# Altium PCB usb-cereal-cp-pcb.PcbDoc
Units mm, origin at the board's own origin, x right, y up, seen from the top; angles counter-clockwise.
Board outline 24.27 x 21.72 mm, 6 copper layers (L1_top, L2_top_gnd, L3_top_sig, L4_bot_sig, L5_bot_gnd, L6_bot), stack 0.783 mm thick; 40 components, 35 nets, 200 pads, 141 vias.
Unrouted connection lines stored in the file: 42.
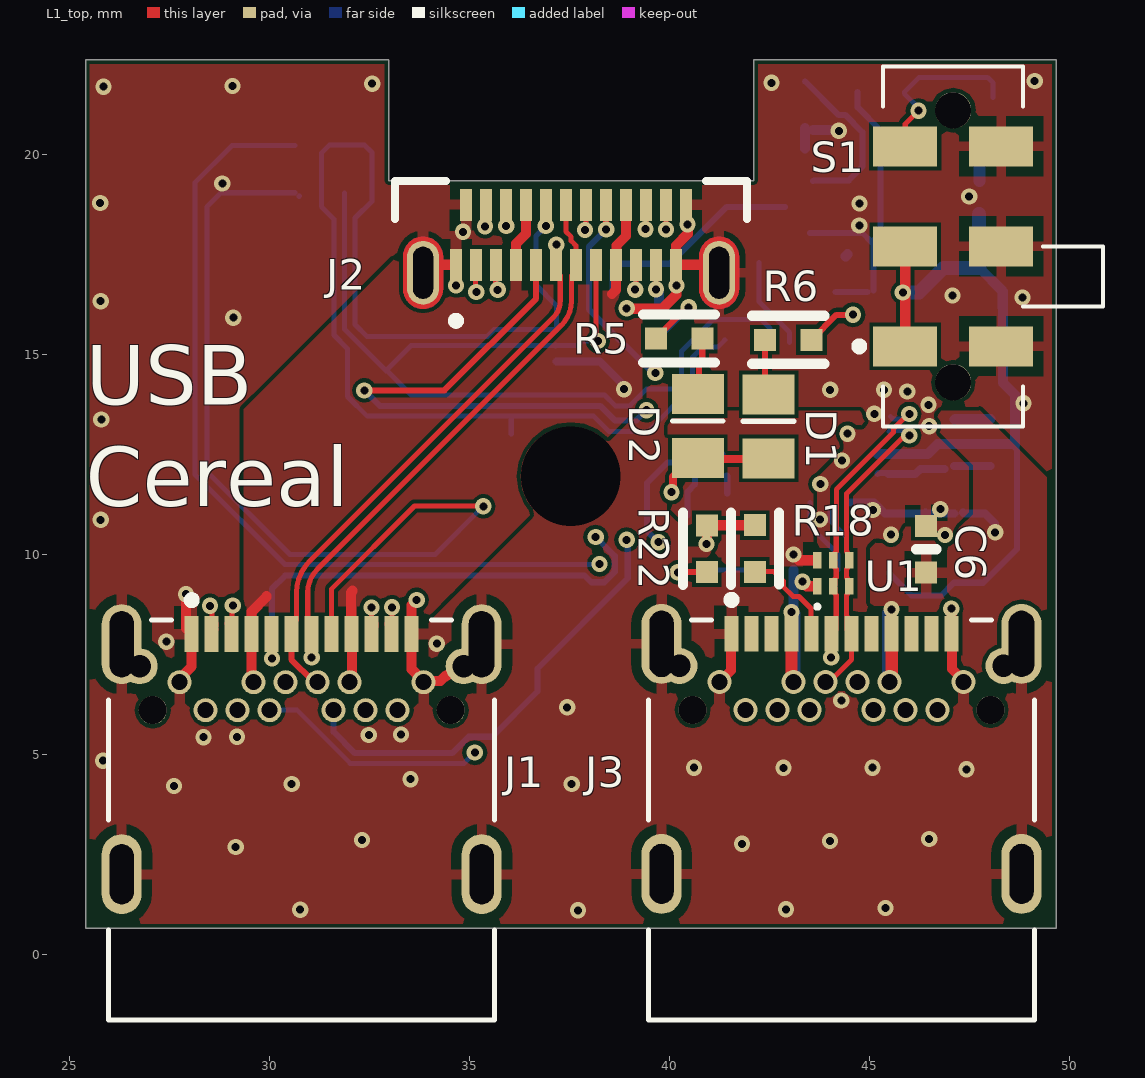
[diagram p0: L1_top view]
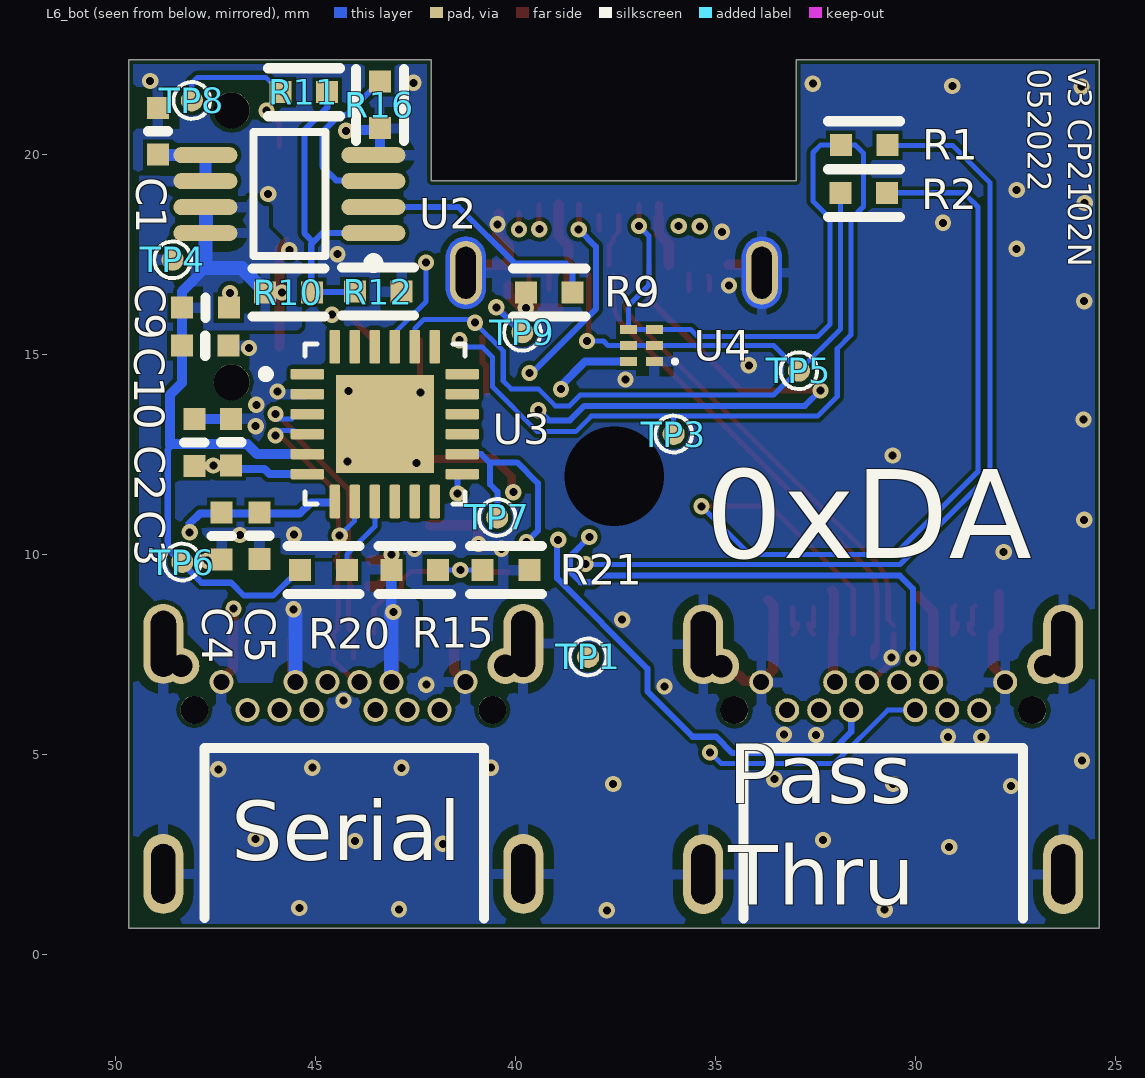
[diagram p1: L6_bot view, seen from below]
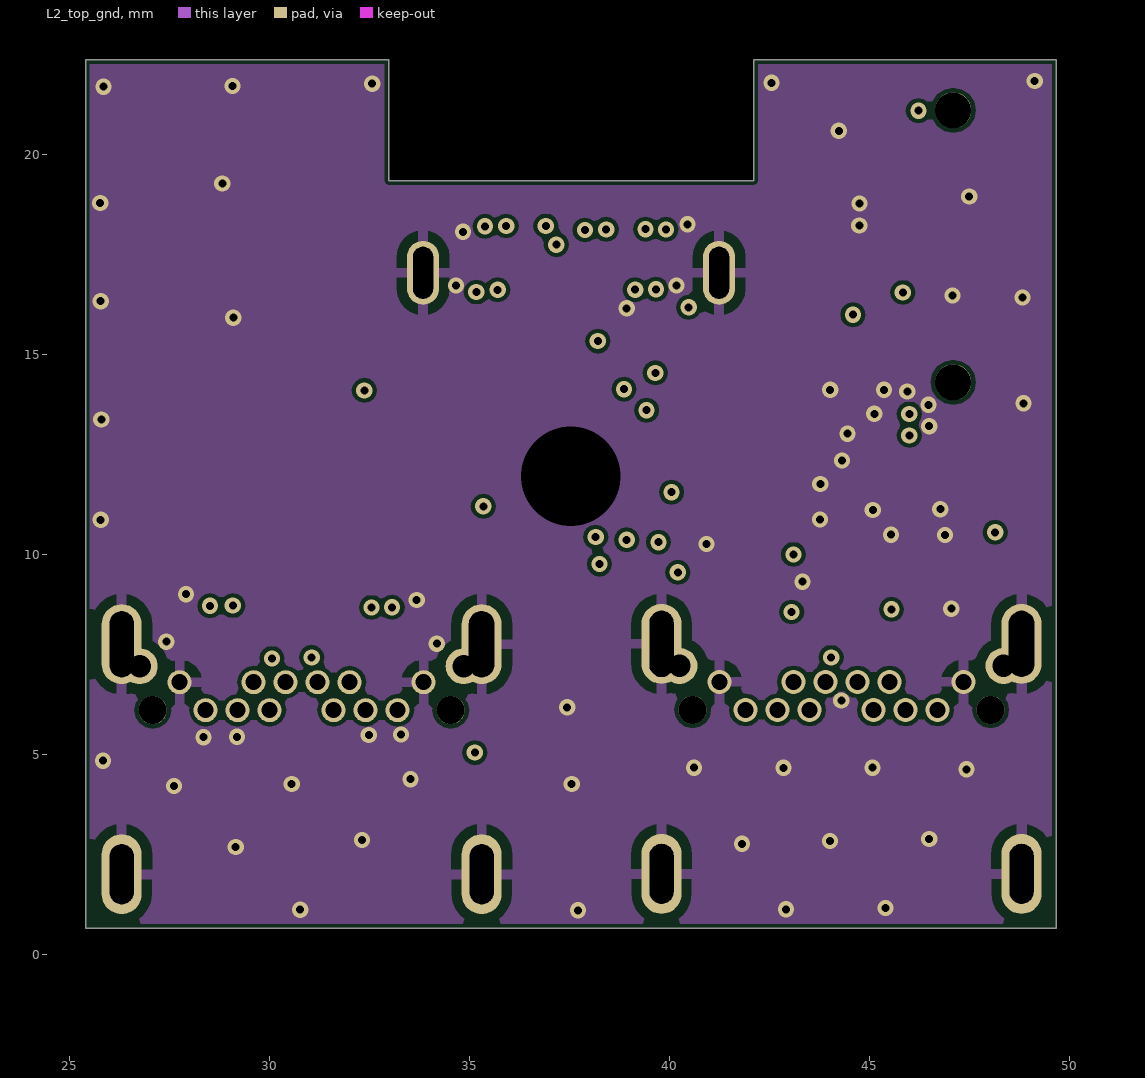
[diagram p2: L2_top_gnd]
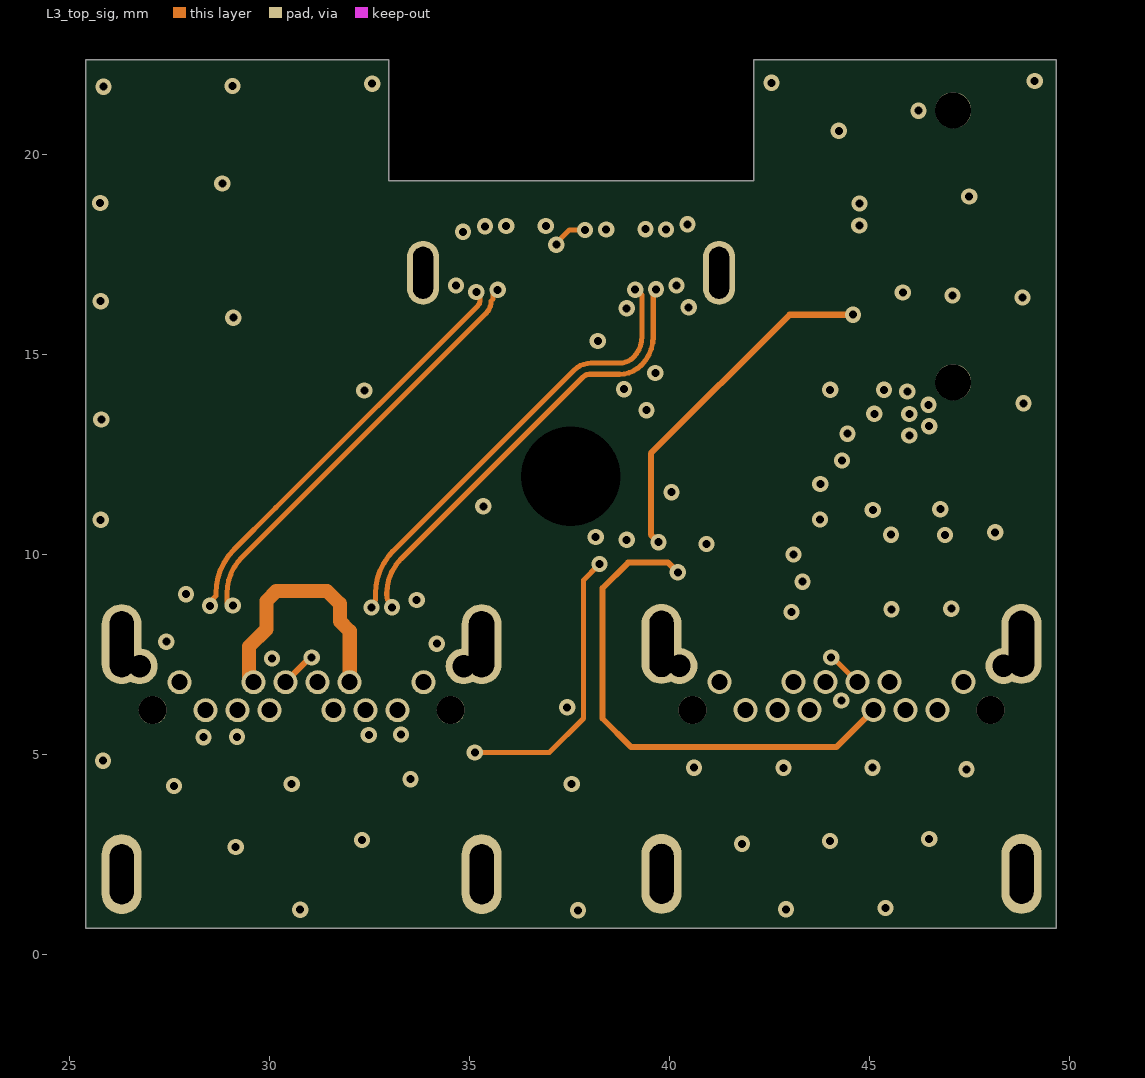
[diagram p3: L3_top_sig]
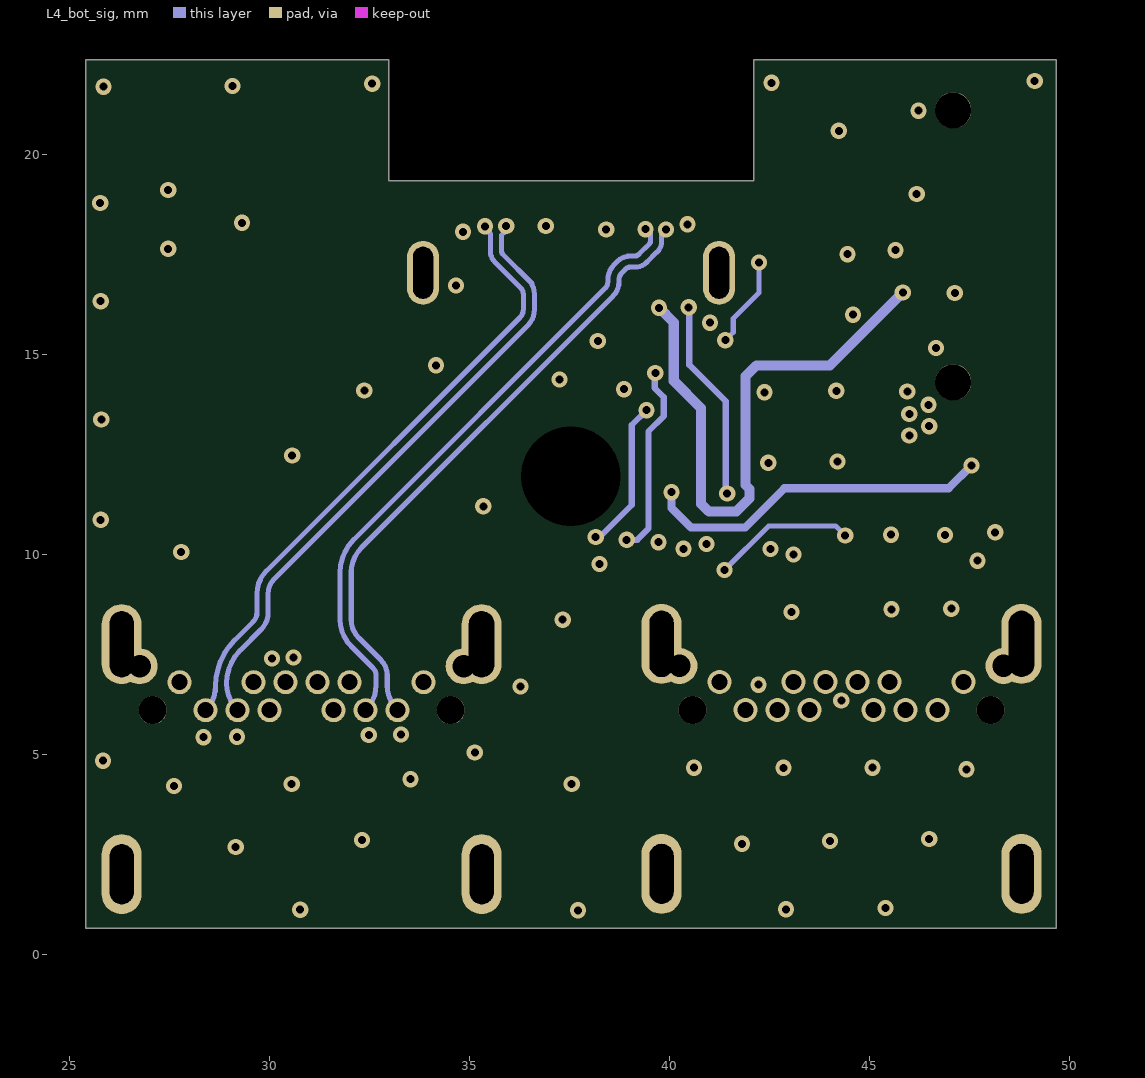
[diagram p4: L4_bot_sig]
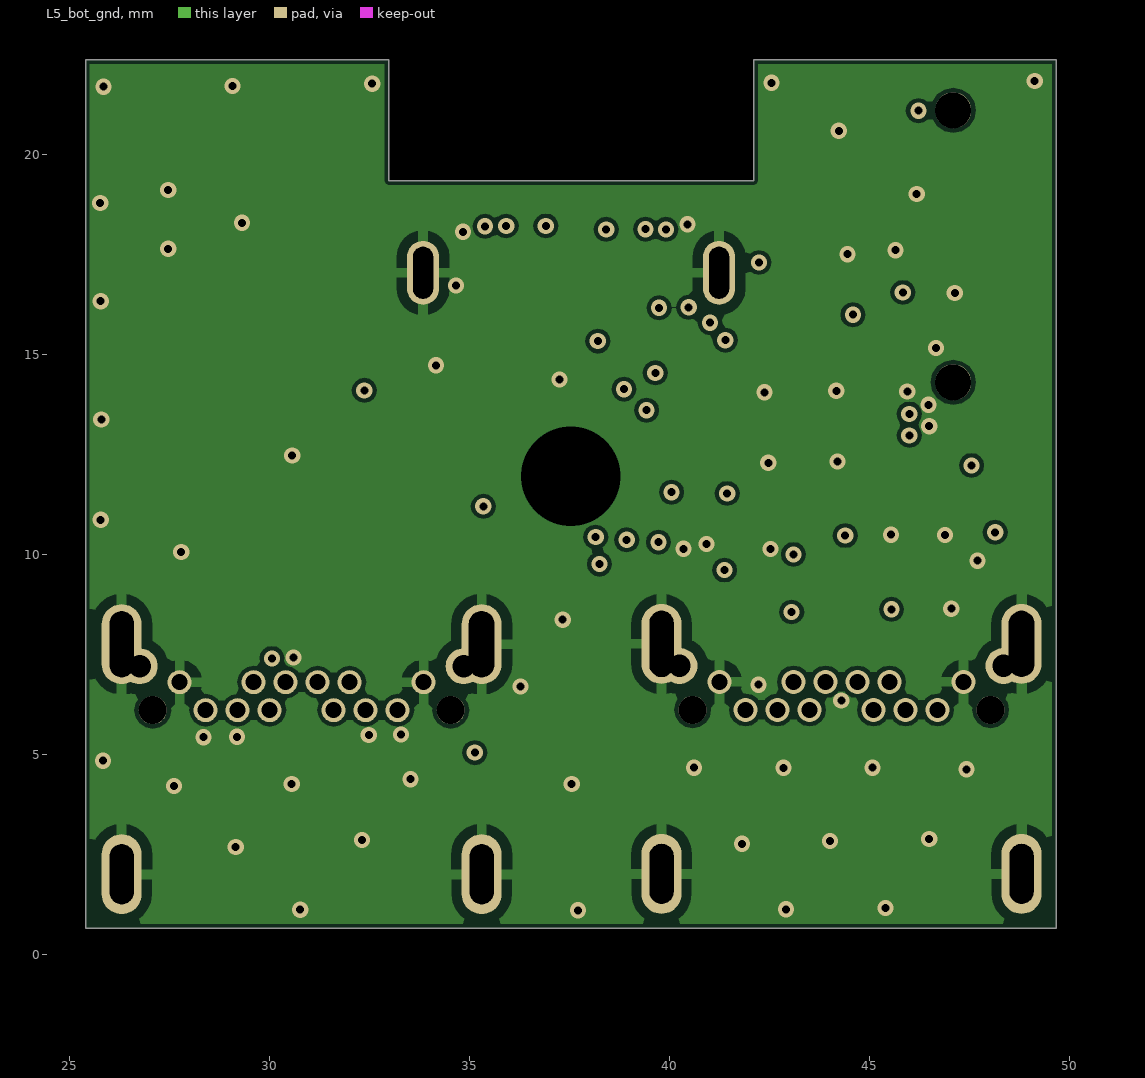
[diagram p5: L5_bot_gnd]
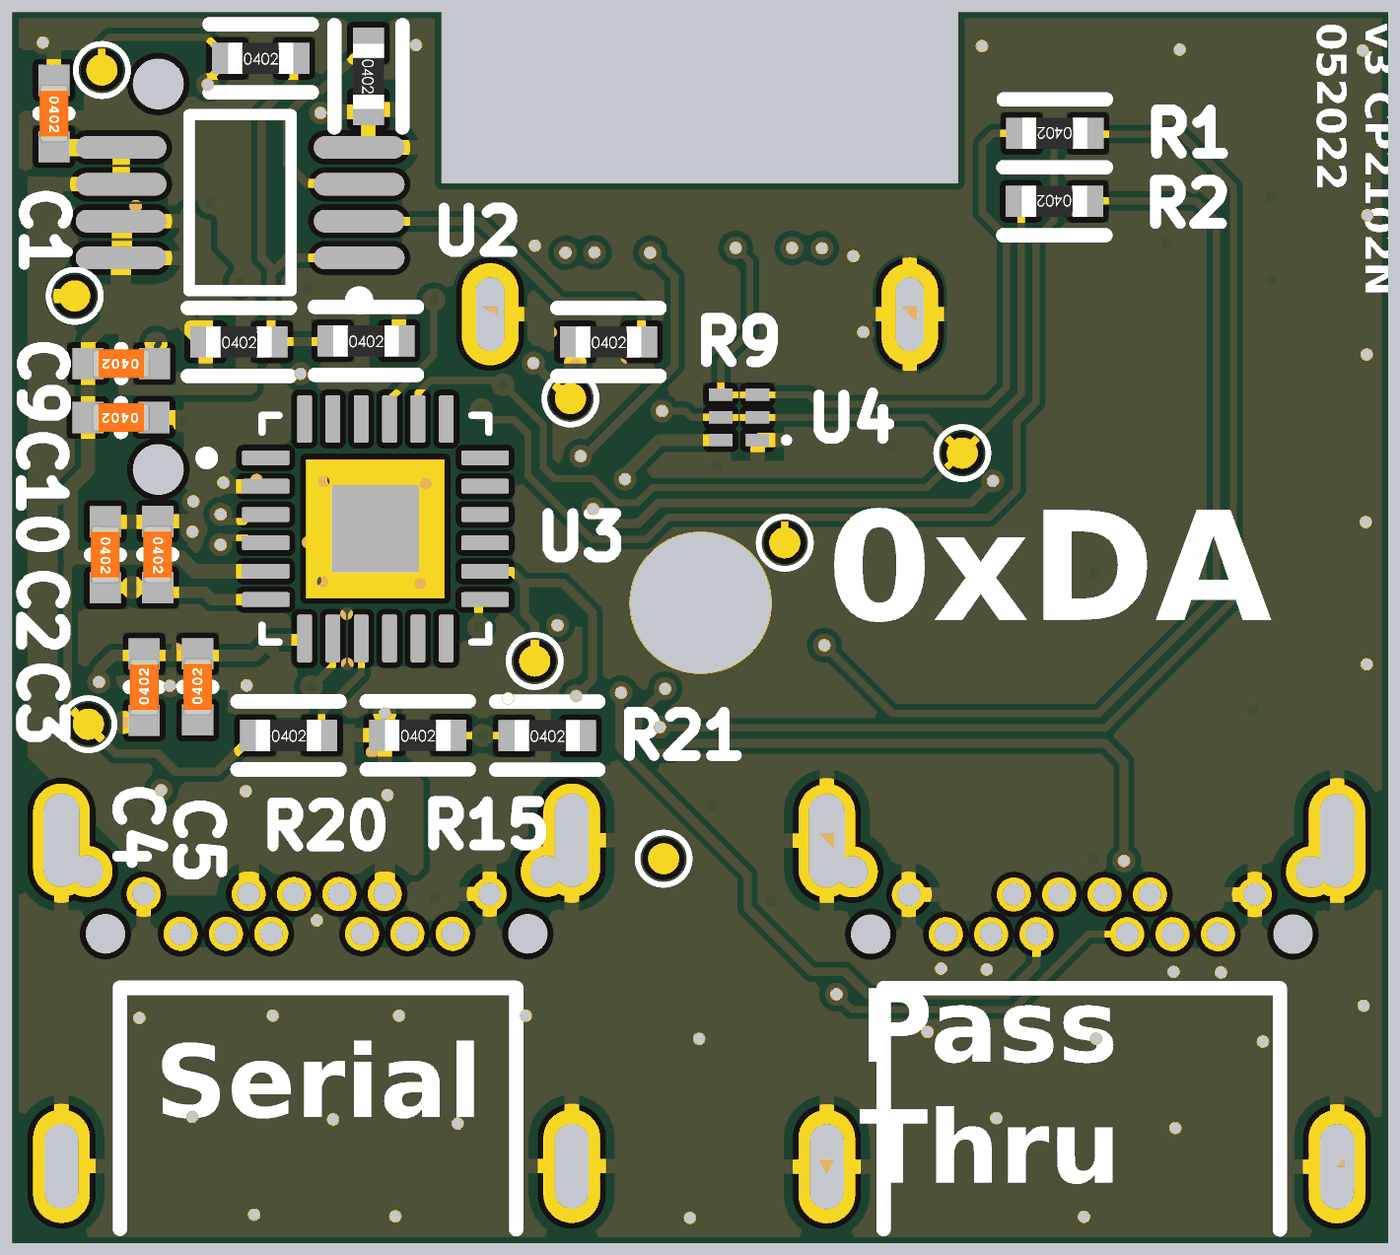
[diagram p6: 3D render of the assembled board from below, using the file's embedded part models]

## Layer stack, top to bottom
Top Solder: solder mask 0.0102, Solder Resist, Dk 3.5
L1_top: signal copper 0.018
Dielectric 1: prepreg 0.11, FR-4, Dk 4.29
L2_top_gnd: signal copper 0.035
Dielectric 3: prepreg 0.13, PP-006, Dk 3.96
L3_top_sig: signal copper 0.035
Dielectric 4: prepreg 0.11, PP-006, Dk 4.29
L4_bot_sig: signal copper 0.035
FR-4: prepreg 0.13, Dk 3.96
L5_bot_gnd: signal copper 0.035
Dielectric 2: prepreg 0.11, Dk 4.29
L6_bot: signal copper 0.035
Bottom Solder: solder mask 0.0102, Solder Resist, Dk 3.5

## Board outline
25.397,0.643 25.397,22.36 32.977,22.36 32.977,19.336 42.1,19.336 42.1,22.36 49.665,22.36 49.665,0.643

## Design rules (kind name [scope] priority, off if disabled: settings)
BoardOutlineClearance [All] p1: gap=0.102 ignorepadtopadclearanceinfootprint=FALSE
Clearance [All] p1: gap=0.102 ignorepadtopadclearanceinfootprint=FALSE
DiffPairsRouting [All] p1: maxlimit=0.152 minlimit=0.102 mostfreqgap=0.152 toplayer_minwidth=0.102 toplayer_maxwidth=0.127 toplayer_prefwidth=0.102 midlayer1_minwidth=0.102 midlayer1_maxwidth=0.127 midlayer1_prefwidth=0.102 midlayer2_minwidth=0.102 midlayer2_maxwidth=0.127 midlayer2_prefwidth=0.102 midlayer3_minwidth=0.102 midlayer3_maxwidth=0.127 midlayer3_prefwidth=0.102 midlayer4_minwidth=0.102 midlayer4_maxwidth=0.127 midlayer4_prefwidth=0.102 bottomlayer_minwidth=0.102 bottomlayer_maxwidth=0.127 bottomlayer_prefwidth=0.102 maxuncoupledlength=12.7
MatchedLengths MatchedLengths_1 [InDifferentialPairClass('SS')] p1: tolerance=0.381 checknetsindiffpair=FALSE checkdiffpairvsdiffpair=TRUE checkxsignals=TRUE checkothers=TRUE
MatchedLengths [InDifferentialPairClass('All Differential Pairs')] p2: tolerance=0.127 checknetsindiffpair=TRUE checkdiffpairvsdiffpair=FALSE checkxsignals=FALSE checkothers=FALSE
MinimumSolderMaskSliver [All] p1: minsoldermaskwidth=0
PolygonConnect PolygonConnect_1 [All] p1: thpad.connectstyle=Relief thpad.reliefconductorwidth=0.254 thpad.reliefentries=4 thpad.polygonreliefangle="90 Angle" thpad.airgapwidth=0.254 smdpad.connectstyle=Relief smdpad.reliefconductorwidth=0.254 smdpad.reliefentries=4 smdpad.polygonreliefangle="90 Angle" smdpad.airgapwidth=0.254 via.connectstyle=Direct via.reliefconductorwidth=0.254 via.reliefentries=4 via.polygonreliefangle="90 Angle" via.airgapwidth=0.254
PolygonConnect [IsVia AND InNet('GND')] p2 off: connectstyle=Direct reliefconductorwidth=0.254 reliefentries=4 polygonreliefangle="90 Angle" airgapwidth=0.127
RoutingVias [All] p1: holewidth=0.711 width=1.27 viastyle="Through Hole" minholewidth=0.711 minwidth=1.27 maxholewidth=0.711 maxwidth=1.27
SilkToSilkClearance [All] p1: silktosilkclearance=0.025
SilkToSolderMaskClearance [IsPad] p1: minsilkscreentomaskgap=0.025 clearancetoexposedcopper=TRUE
SolderMaskExpansion [All] p1: expansion=0.102 istentingtop=FALSE
Width [All] p1: maxlimit=1.016 minlimit=0.102 preferedwidth=0.152
26 further rules are at their usual default settings.

## Classes and differential pairs
differential pair TX2: +TX2_P -TX2_N
differential pair TX1: +TX1_P -TX1_N
differential pair RX2: +RX2_P -RX2_N
differential pair RX1: +RX1_P -RX1_N
differential pair D: +D_P -D_N
differential pair USB_FT_HS: +USB_FT_HS_P -USB_FT_HS_N

## Components (designator, comment, footprint, x,y, rotation, side; value= is the part's Value field where it differs from the comment)
C1 "1µF" SMD-0402C 48.93,20.572 r0 bottom
C2 "0.10µF" SMD-0402C 47.1,12.794 r0 bottom
C3 "4.7µF" SMD-0402C 48.024,12.79 r0 bottom
C4 "4.7µF" SMD-0402C 47.338,10.454 r180 bottom
C5 "0.10µF" SMD-0402C 46.394,10.457 r180 bottom
C6 "10nF" SMD-0402C 46.409,10.121 r180 top
C9 "1µF" SMD-0402C 47.743,16.162 r90 bottom
C10 "1µF" SMD-0402C 47.748,15.209 r90 bottom
D1 "LTST-C171GKT" 0805 42.476,13.193 r90 top
D2 "LTST-C171KSKT" 0805 40.703,13.199 r90 top
J1 "UJ31-CH-G1-SMT-TR" CUI_UJ31-CH-G1-SMT-TR 28.05,8.001 r0 top
J2 "USB4155-03-C_REVA" GCT_USB4155-03-C_REVA 37.535,17.982 r180 top
J3 "UJ31-CH-G1-SMT-TR" CUI_UJ31-CH-G1-SMT-TR 41.547,8.009 r0 top
R1 "0.0" SMD-0402-RES 31.276,20.221 r90 bottom
R2 "0.0" SMD-0402-RES 31.284,19.025 r90 bottom
R5 "1k" SMD-0402-RES 40.237,15.39 r90 top
R6 "270" SMD-0402-RES 42.963,15.356 r270 top
R9 "53.6k" SMD-0402-RES 39.149,16.542 r270 bottom
R10 "53.6k" SMD-0402-RES 45.669,16.543 r270 bottom
R11 "22.1k" SMD-0402-RES 45.284,21.546 r270 bottom
R12 "30.1k" SMD-0402-RES 43.427,16.562 r270 bottom
R15 "22.1k" SMD-0402-RES 42.514,9.605 r270 bottom
R16 "0.0" SMD-0402-RES 43.385,21.229 r0 bottom
R18 "5.1k" SMD-0402-RES 42.131,10.137 r0 top
R20 "22.1k" SMD-0402-RES 44.792,9.602 r270 bottom
R21 "47.5k" SMD-0402-RES 40.229,9.598 r270 bottom
R22 "5.1k" SMD-0402-RES 40.931,10.133 r0 top
S1 "JS202011JAQN" JS202011JAQN 47.09,17.693 r90 top
TP1 "GND" Testpoint 38.177,7.428 r90 bottom
TP3 "GND" Testpoint 36.04,13.001 r90 bottom
TP4 "GND" Testpoint 48.565,17.356 r90 bottom
TP5 "GND" Testpoint 32.909,14.583 r90 bottom
TP6 "GND" Testpoint 48.324,9.8 r90 bottom
TP7 "GND" Testpoint 40.45,10.915 r90 bottom
TP8 "GND" Testpoint 48.084,21.34 r90 bottom
TP9 "GND" Testpoint 39.82,15.544 r90 bottom
U1 "ESDR0502NMUTAG" ONSC-UDFN-6-517AA-01_V 44.092,9.518 r90 top
U2 "TPS77401DGK" TI-DGK8_N 45.647,18.999 r0 bottom
U3 "CP2102N-A02-GQFN24R" QFN50P400X400X80-25N 43.26,13.248 r180 bottom
U4 "ESDR0502NMUTAG" ONSC-UDFN-6-517AA-01_V 36.844,15.211 r0 bottom (schematic designator U?)

## Footprints (in the part's own frame and the unit in brackets; to place one, negate y for a bottom-side part, rotate by r counter-clockwise, add the part's x,y. Pads: shape width x height; smd on the part's side, far side on the other; paste and mask are expansions set on the pad)
0805 [mm]
  rect 1x1.3 smd: 1(-0.8,0) 2(0.8,0)
  silkscreen extent 0.13,-0.64 0.13,0.64, body extent -1.07,-0.64 1.07,0.76, height 0.7
CUI_UJ31-CH-G1-SMT-TR [mm]
  rect 0.35x0.89 smd: A1(0,0) A2(0.5,0) A3(1,0) A4(1.5,0) A5(2,0) A6(2.5,0) A7(3,0) A8(3.5,0) A9(4,0) A10(4.5,0) A11(5,0) A12(5.5,0)
  round 0.6 hole 0.4: B1(5.8,-1.205) B2(5.15,-1.905) B3(4.35,-1.905) B4(3.95,-1.205) B5(3.55,-1.905) B6(3.15,-1.205) B7(2.35,-1.205) B8(1.95,-1.905) B9(1.55,-1.205) B10(1.15,-1.905) B11(0.35,-1.905) B12(-0.3,-1.205)
  oval 1x2 hole 0.6 slot 1.5 at 90 deg: SH1(-1.75,-6.005) SH4(7.25,-6.005)
  round 0.9 hole 0.559: SH2(-1.3,-0.805) SH5(6.8,-0.805)
  oval 1x2 hole 0.6 slot 1.651 at 90 deg: SH3(-1.75,-0.255)
  oval 1x2 hole 0.635 slot 1.651 at 90 deg: SH6(7.25,-0.255)
  round 0.7 hole 0.7 unplated: ""(-0.975,-1.905) ""(6.475,-1.905)
  silkscreen extent -2.07,-9.65 7.57,0.94
GCT_USB4155-03-C_REVA [mm]
  rect 0.3x0.8 smd: A1(2.875,0.75) A2(2.375,0.75) A3(1.875,0.75) A4(1.375,0.75) A5(0.875,0.75) A6(0.375,0.75) A7(-0.125,0.75) A8(-0.625,0.75) A9(-1.125,0.75) A10(-1.625,0.75) A11(-2.125,0.75) A12(-2.625,0.75) B1(-2.875,-0.75) B2(-2.375,-0.75) B3(-1.875,-0.75) B4(-1.375,-0.75) B5(-0.875,-0.75) B6(-0.375,-0.75) B7(0.125,-0.75) B8(0.625,-0.75) B9(1.125,-0.75) B10(1.625,-0.75) B11(2.125,-0.75) B12(2.625,-0.75)
  oval 0.8x1.6 hole 0.5 slot 1.3 at 90 deg mask+0: S1(-3.7,0.95) S2(3.7,0.95)
  L1_top region: -3.674,1.849 -3.648,1.847 -3.622,1.844 -3.596,1.839 -3.571,1.833 -3.545,1.826 -3.521,1.817 -3.497,1.807 -3.473,1.796 -3.45,1.783 -3.428,1.769 -3.406,1.755 -3.385,1.739 -3.365,1.722 -3.346,1.704 -3.328,1.685 -3.311,1.665 -3.295,1.644 -3.281,1.622 -3.267,1.6 -3.254,1.577 -3.243,1.553 -3.233,1.529 -3.224,1.505 -3.217,1.479 -3.211,1.454 -3.206,1.428 -3.203,1.402 -3.201,1.376 -3.2,1.35 -3.2,0.55 -3.201,0.524 -3.203,0.498 -3.206,0.472 -3.211,0.446 -3.217,0.421 -3.224,0.395 -3.233,0.371 -3.243,0.347 -3.254,0.323 -3.267,0.3 -3.281,0.278 -3.295,0.256 -3.311,0.235 -3.328,0.215 -3.346,0.196 -3.365,0.178 -3.385,0.161 -3.406,0.145 -3.428,0.131 -3.45,0.117 -3.473,0.104 -3.497,0.093 -3.521,0.083 -3.545,0.074 -3.571,0.067 -3.596,0.061 -3.622,0.056 -3.648,0.053 -3.674,0.051 -3.7,0.05 -3.726,0.051 -3.752,0.053 -3.778,0.056 -3.804,0.061 -3.829,0.067 -3.855,0.074 -3.879,0.083 -3.903,0.093 -3.927,0.104 -3.95,0.117 -3.972,0.131 -3.994,0.145 -4.015,0.161 -4.035,0.178 -4.054,0.196 -4.072,0.215 -4.089,0.235 -4.105,0.256 -4.119,0.278 -4.133,0.3 -4.146,0.323 -4.157,0.347 -4.167,0.371 -4.176,0.395 -4.183,0.421 -4.189,0.446 -4.194,0.472 -4.197,0.498 -4.199,0.524 -4.2,0.55 -4.2,1.35 -4.199,1.376 -4.197,1.402 -4.194,1.428 -4.189,1.454 -4.183,1.479 -4.176,1.505 -4.167,1.529 -4.157,1.553 -4.146,1.577 -4.133,1.6 -4.119,1.622 -4.105,1.644 -4.089,1.665 -4.072,1.685 -4.054,1.704 -4.035,1.722 -4.015,1.739 -3.994,1.755 -3.972,1.769 -3.95,1.783 -3.927,1.796 -3.903,1.807 -3.879,1.817 -3.855,1.826 -3.829,1.833 -3.804,1.839 -3.778,1.844 -3.752,1.847 -3.726,1.849 -3.7,1.85
  L1_top region: 3.726,1.849 3.752,1.847 3.778,1.844 3.804,1.839 3.829,1.833 3.855,1.826 3.879,1.817 3.903,1.807 3.927,1.796 3.95,1.783 3.972,1.769 3.994,1.755 4.015,1.739 4.035,1.722 4.054,1.704 4.072,1.685 4.089,1.665 4.105,1.644 4.119,1.622 4.133,1.6 4.146,1.577 4.157,1.553 4.167,1.529 4.176,1.505 4.183,1.479 4.189,1.454 4.194,1.428 4.197,1.402 4.199,1.376 4.2,1.35 4.2,0.55 4.199,0.524 4.197,0.498 4.194,0.472 4.189,0.446 4.183,0.421 4.176,0.395 4.167,0.371 4.157,0.347 4.146,0.323 4.133,0.3 4.119,0.278 4.105,0.256 4.089,0.235 4.072,0.215 4.054,0.196 4.035,0.178 4.015,0.161 3.994,0.145 3.972,0.131 3.95,0.117 3.927,0.104 3.903,0.093 3.879,0.083 3.855,0.074 3.829,0.067 3.804,0.061 3.778,0.056 3.752,0.053 3.726,0.051 3.7,0.05 3.674,0.051 3.648,0.053 3.622,0.056 3.596,0.061 3.571,0.067 3.545,0.074 3.521,0.083 3.497,0.093 3.473,0.104 3.45,0.117 3.428,0.131 3.406,0.145 3.385,0.161 3.365,0.178 3.346,0.196 3.328,0.215 3.311,0.235 3.295,0.256 3.281,0.278 3.267,0.3 3.254,0.323 3.243,0.347 3.233,0.371 3.224,0.395 3.217,0.421 3.211,0.446 3.206,0.472 3.203,0.498 3.201,0.524 3.2,0.55 3.2,1.35 3.201,1.376 3.203,1.402 3.206,1.428 3.211,1.454 3.217,1.479 3.224,1.505 3.233,1.529 3.243,1.553 3.254,1.577 3.267,1.6 3.281,1.622 3.295,1.644 3.311,1.665 3.328,1.685 3.346,1.704 3.365,1.722 3.385,1.739 3.406,1.755 3.428,1.769 3.45,1.783 3.473,1.796 3.497,1.807 3.521,1.817 3.545,1.826 3.571,1.833 3.596,1.839 3.622,1.844 3.648,1.847 3.674,1.849 3.7,1.85
  L6_bot region: -3.674,1.849 -3.648,1.847 -3.622,1.844 -3.596,1.839 -3.571,1.833 -3.545,1.826 -3.521,1.817 -3.497,1.807 -3.473,1.796 -3.45,1.783 -3.428,1.769 -3.406,1.755 -3.385,1.739 -3.365,1.722 -3.346,1.704 -3.328,1.685 -3.311,1.665 -3.295,1.644 -3.281,1.622 -3.267,1.6 -3.254,1.577 -3.243,1.553 -3.233,1.529 -3.224,1.505 -3.217,1.479 -3.211,1.454 -3.206,1.428 -3.203,1.402 -3.201,1.376 -3.2,1.35 -3.2,0.55 -3.201,0.524 -3.203,0.498 -3.206,0.472 -3.211,0.446 -3.217,0.421 -3.224,0.395 -3.233,0.371 -3.243,0.347 -3.254,0.323 -3.267,0.3 -3.281,0.278 -3.295,0.256 -3.311,0.235 -3.328,0.215 -3.346,0.196 -3.365,0.178 -3.385,0.161 -3.406,0.145 -3.428,0.131 -3.45,0.117 -3.473,0.104 -3.497,0.093 -3.521,0.083 -3.545,0.074 -3.571,0.067 -3.596,0.061 -3.622,0.056 -3.648,0.053 -3.674,0.051 -3.7,0.05 -3.726,0.051 -3.752,0.053 -3.778,0.056 -3.804,0.061 -3.829,0.067 -3.855,0.074 -3.879,0.083 -3.903,0.093 -3.927,0.104 -3.95,0.117 -3.972,0.131 -3.994,0.145 -4.015,0.161 -4.035,0.178 -4.054,0.196 -4.072,0.215 -4.089,0.235 -4.105,0.256 -4.119,0.278 -4.133,0.3 -4.146,0.323 -4.157,0.347 -4.167,0.371 -4.176,0.395 -4.183,0.421 -4.189,0.446 -4.194,0.472 -4.197,0.498 -4.199,0.524 -4.2,0.55 -4.2,1.35 -4.199,1.376 -4.197,1.402 -4.194,1.428 -4.189,1.454 -4.183,1.479 -4.176,1.505 -4.167,1.529 -4.157,1.553 -4.146,1.577 -4.133,1.6 -4.119,1.622 -4.105,1.644 -4.089,1.665 -4.072,1.685 -4.054,1.704 -4.035,1.722 -4.015,1.739 -3.994,1.755 -3.972,1.769 -3.95,1.783 -3.927,1.796 -3.903,1.807 -3.879,1.817 -3.855,1.826 -3.829,1.833 -3.804,1.839 -3.778,1.844 -3.752,1.847 -3.726,1.849 -3.7,1.85